# Altium PCB 0416.PcbDoc (part 3 of 3)
Units mm, origin at the board's own origin, x right, y up, seen from the top; angles counter-clockwise.
Board outline 152.4 x 101.6 mm, 4 copper layers (Top Layer, Signal Layer 2, Signal Layer 1, Bottom Layer), stack 0.778 mm thick; 260 components, 304 nets, 1192 pads, 269 vias.
Unrouted connection lines stored in the file: 259.
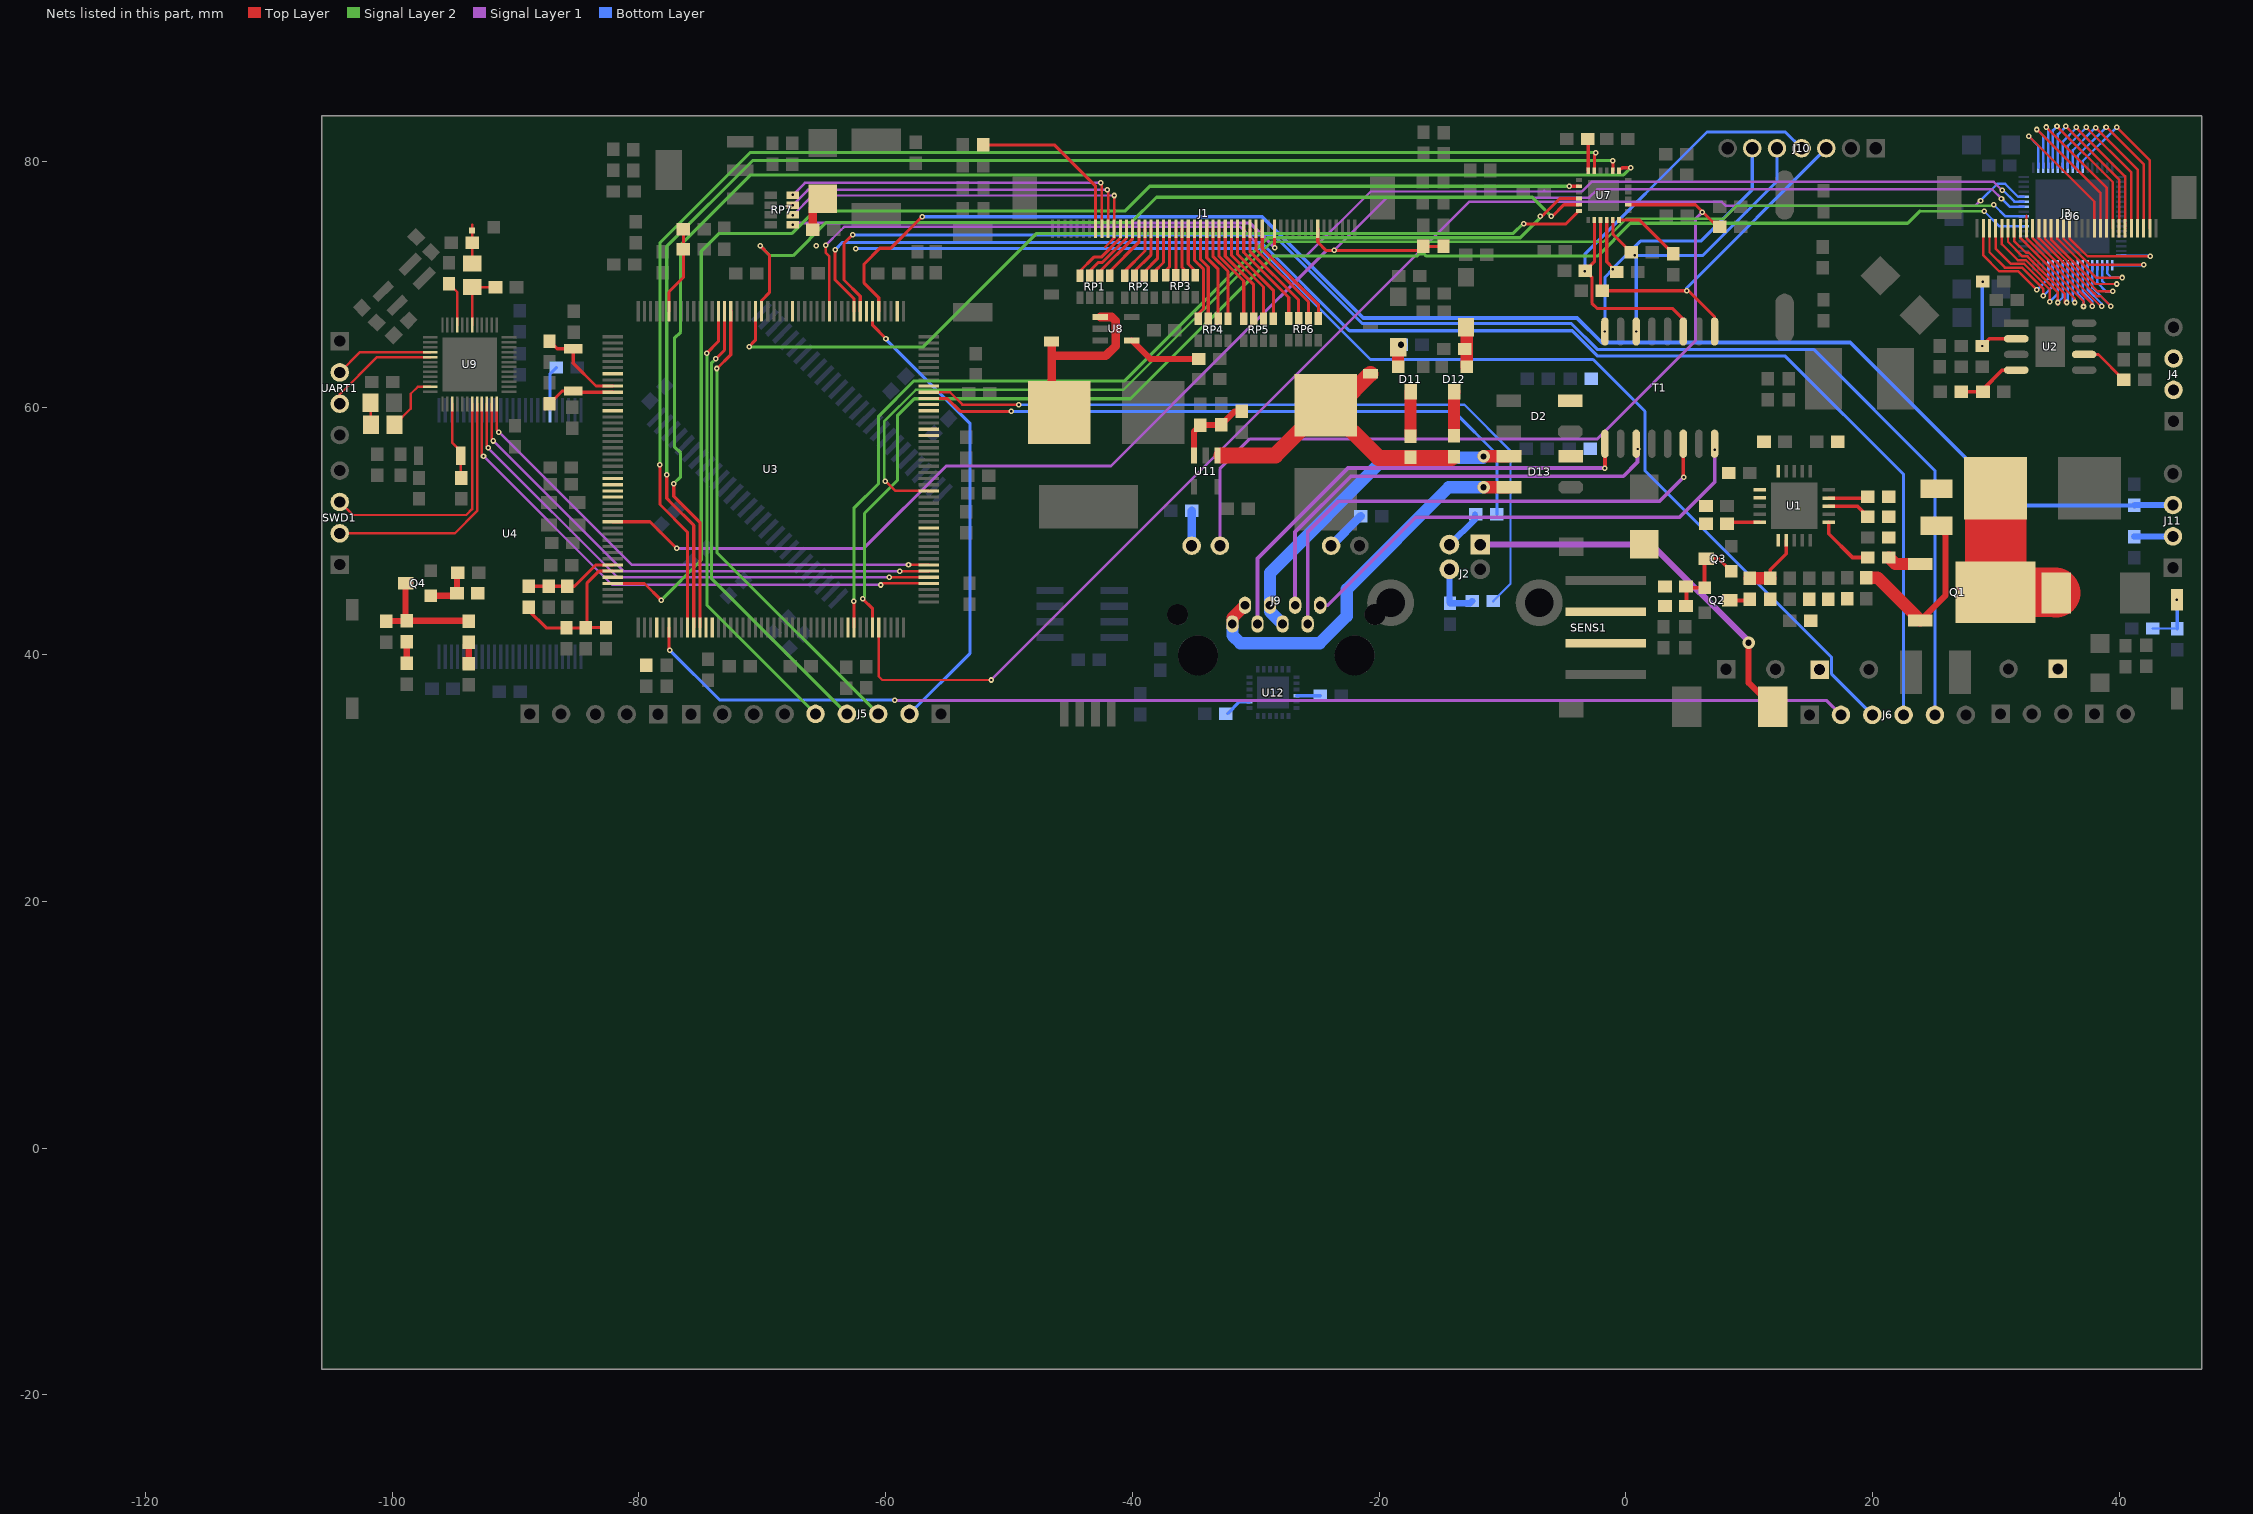
[diagram p5: the nets of this part, all layers, seen from the top]

## Via types
v1: diameter 0.45, hole 0.2, Top Layer to Bottom Layer, 216 vias
v2: diameter 0.5, hole 0.3, Top Layer to Bottom Layer, 36 vias
v3: diameter 0.6, hole 0.6, Top Layer to Bottom Layer, 9 vias
v4: diameter 1, hole 0.5, Top Layer to Bottom Layer, 6 vias
v5: diameter 0.6, hole 0.3, Top Layer to Bottom Layer, 2 vias

## Nets (pads, with @x,y where several pads share a name; then routed paths per layer and width w, separated by ;. In a path a pad name is that pad's centre, name@x,y a point inside that pad or via, vN(x,y) a via of type N, cw(c..) or ccw(c..) an arc to the next point about the centre after c; other vN are vias at no path point) (continued)
NetC81_1: C81.1 U9.3 X2.2 | length 6.3
  Top Layer w0.2: U9.3@-95.125,60.325 -95.125,57.175 -94.7,56.75 -94.7,56.179 -94.446,55.925 -94.446,54.371 C81.1@-94.4,54.325
NetC83_1: C83.1 U9.33 | length 3.6
  Top Layer w0.2: C83.1@-95.4,70.075 -94.725,69.4 U9.33@-94.725,66.725
NetC85_1: C85.1 C86.2 D15.1 L7.2 U11.1 | length 26.8
  Top Layer w1.3: -32.775,56.15 -28.4,56.15 L7.2@-24.318,60.232 ; D15.1@-20.7,62.77 -23.238,60.232 L7.2@-24.318,60.232 ; C85.1@-14.125,55.95 -20.036,55.95 L7.2@-24.318,60.232
NetC85_2: C85.2 D12.3 | length 3.6
  Top Layer w1: C85.2@-13.925,57.75 -13.925,61.284 D12.3@-13.9,61.309
NetC86_1: C86.1 D11.3 | length 3.6
  Top Layer w1: C86.1@-17.45,57.7 D11.3@-17.45,61.309
NetC87_2: C87.2 D10.1 D12.1 | length 3.2
  Top Layer w1: D10.1@-12.975,66.543 -12.884,66.452 D12.1@-12.884,63.341
NetC88_1: C88.1 D11.2 D14.2 | length 1.6
  Top Layer w1: D11.2@-18.466,63.341 -18.466,64.927 D14.2@-18.45,64.943
  other v4: -18.225,65.125
NetC90_2: C90.2 L6.1 U9.30 | length 5
  Top Layer w0.2: U9.30@-93.525,66.725 L6.1@-93.525,69.8 C90.2@-91.625,69.8
NetC95_2: C95.2 R74.2 R75.1 U11.3 | length 6.5
  Top Layer w0.5: U11.3@-35,56.15 -35,58.1 R74.2@-34.5,58.6 -34.475,58.625 C95.2@-32.8,58.625 -31.7,59.725 R75.1@-31.125,59.725
NetC116_1: C116.1 U12.20 | length 2.2
  Bottom Layer w0.25: C116.1@-32.275,35.225 -31.325,36.175 U12.20@-30.5,36.175
NetC117_2: C117.2 U12.10 | length 1.9
  Bottom Layer w0.25: U12.10@-26.7,36.675 C117.2@-24.775,36.675
NetD3_2: D3.2 L2.1 Q1.3 | length 13.4
  Top Layer w4: Q1.3@29.975,45.06 34.815,45.06 D3.2@34.875,45
  Top Layer w5: L2.1@29.962,53.493 29.975,53.48 Q1.3@29.975,45.06
NetD6_1: D6.1 R46.2 | length 1.7
  Top Layer w0.5: D6.1@-98.825,39.3 R46.2@-98.825,41.05
NetD7_1: D7.1 R47.2 | length 1.7
  Top Layer w0.5: D7.1@-93.8,39.25 R47.2@-93.8,41
NetD8_1: D8.1 J2.1 | length 31.1
  Top Layer w0.5: v4(9.95,40.975) 9.95,37.725 D8.1@11.9,35.775
  Signal Layer 1 w0.5: J2.1@-11.8,48.925 2.1,48.925 9.95,41.075 v4(9.95,40.975)
NetD9_1: D9.1 L4.2 U8.1@-42.6,67.375 | length 14.9
  Top Layer w0.7: D9.1@-46.55,65.395 -46.55,60.25 L4.2@-45.932,59.632 ; -46.525,64.225 -42.15,64.225 -41.35,65.025 -41.35,67.05 -41.675,67.375 U8.1@-42.6,67.375
NetD20_1: D20.1 R100.1 | length 2.9
  Top Layer w0.7: R100.1@-65.9,74.45 -65.9,76.175 D20.1@-65.1,76.975
NetJ1_8: J1.8 R17.2 | length 14
  Top Layer w0.25: R17.2@-52.1,81.325 -46.325,81.325 -42.975,77.975 J1.8@-42.975,74.525
NetJ2_2: J2.2 R61.2 | length 3.3
  Bottom Layer w0.5: J2.2@-14.3,48.925 -12.225,51 R61.2@-12.225,51.35
NetJ9_1: J9.1 T1.16 | length 39.3
  Top Layer w0.3: T1.16@7.195,57.1 7.2,57.095 v1(7.2,56.6)
  Signal Layer 1 w0.3: J9.1@-24.891,44.01 -24.165,44.01 -17.025,51.15 4.35,51.15 7.2,54 v1(7.2,56.6)
NetJ9_2: J9.2 T1.14 | length 42.5
  Top Layer w0.3: v1@4.655,54.42 T1.14@4.655,57.1
  Signal Layer 1 w0.3: J9.2@-25.795,42.486 -25.795,49.955 -23.3,52.45 2.75,52.45 4.7,54.4 v1(4.7,54.375)
NetJ9_3: J9.3 T1.11 | length 37.1
  Signal Layer 1 w0.3: J9.3@-26.811,44.01 -26.811,49.939 -22.275,54.475 -0.2,54.475 0.95,55.625 v1(0.95,56.675)
NetJ9_6: J9.6 T1.9 | length 38.5
  Top Layer w0.3: v1(-1.695,55.13) T1.9@-1.695,57.1
  Signal Layer 1 w0.3: J9.6@-29.859,42.486 -29.859,47.791 -22.52,55.13 v1(-1.695,55.13)
NetJ9_10: J9.10 R64.1 | length 2.8
  Bottom Layer w0.7: J9.10@-35.193,48.836 R64.1@-35.193,51.657
NetJ9_11: J9.11 R63.1 | length 3.4
  Bottom Layer w0.7: J9.11@-23.89,48.836 R63.1@-21.5,51.225
NetL3_2: L3.2 L5.1 | length 1.8
  Top Layer w0.2: L3.2@-101.75,60.425 -101.75,58.65 L5.1@-101.725,58.625
NetL5_2: L5.2 U9.47 | length 4.9
  Top Layer w0.2: L5.2@-99.825,58.625 -98.5,59.95 -98.5,61.15 -97.925,61.725 U9.47@-96.925,61.725
NetQ1_1: Q1.1 R1.1 | length 2.8
  Top Layer w1: R1.1@21.325,47.875 21.85,47.35 Q1.1@23.875,47.35
NetQ1_2: Q1.2 R01.2 R2.1 | length 14.6
  Top Layer w0.5: Q1.2@23.875,42.77 25.9,44.795 25.9,49.75 R01.2@25.2,50.45
  Top Layer w1: R2.1@19.5,46.25 20.395,46.25 Q1.2@23.875,42.77
NetQ2_1: Q2.1 Q3.1 Q3.3 R11.2 R15.2 | length 8.1
  Top Layer w0.3: R15.2@4.9,43.6 4.925,43.625 4.925,45.3 5.041,45.416 Q2.1@6.384,45.416 6.384,47.65 Q3.3@6.509,47.775 7.525,47.775 Q3.1@8.541,46.759
NetQ2_3: Q2.3 R4.2 | length 1.7
  Top Layer w0.3: Q2.3@8.416,44.4 9.95,44.4 R4.2@10.05,44.5
NetQ4_1: Q4.1 R40.1 R43.2 | length 3.9
  Top Layer w0.5: Q4.1@-96.884,44.784 -94.941,44.784 R40.1@-94.75,44.975 -94.75,46.6 R43.2@-94.7,46.65
NetR1_2: R1.2 U1.16 | length 4.9
  Top Layer w0.3: U1.16@16.45,50.725 16.45,49.8 18.375,47.875 R1.2@19.625,47.875
NetR4_1: R4.1 R5.2 U1.12 | length 5.3
  Top Layer w0.29: R5.2@11.7,46.2 11.7,46.875 13,48.175 U1.12@13,49.275
  Top Layer w1: R4.1@10.05,46.2 R5.2@11.7,46.2
NetR7_2: R7.2 U1.18 | length 3.5
  Top Layer w0.3: U1.18@16.45,52.025 18.775,52.025 R7.2@19.625,51.175
NetR8_2: R8.2 U1.19 | length 3.2
  Top Layer w0.3: U1.19@16.45,52.675 19.475,52.675 R8.2@19.6,52.8
NetR9_2: R9.2 U1.10 | length 2.7
  Top Layer w0.3: R9.2@8.2,50.625 8.3,50.725 U1.10@10.85,50.725
NetR30_2: R30.2 U3.48
NetR33_1: R33.1 R38.1 U2.2 | length 8.2
  Top Layer w0.3: v1(28.9,65.025) 29.485,65.61 U2.2@31.65,65.61
  Bottom Layer w0.3: v1(28.9,65.025) 28.9,70.225 v1(28.925,70.25)
NetR35_2: R35.2 R36.2 U3.171 | length 7.1
  Top Layer w0.254: U3.171@-77.56,67.84 -77.56,69.415 -76.4,70.575 R35.2@-76.4,72.875 R36.2@-76.4,74.5
NetR39_1: R39.1 U4.19 | length 3.7
  Bottom Layer w0.254: U4.19@-87.2,59.825 -87.2,62.775 R39.1@-86.7,63.275
NetR41_1: R41.1 R42.1 U2.4 | length 5.3
  Top Layer w0.3: R41.1@27.175,61.325 R42.1@28.95,61.325 28.95,61.5 30.52,63.07 U2.4@31.65,63.07
NetR44_1: R44.1 U2.6 | length 4.1
  Top Layer w0.25: U2.6@37.15,64.34 38.31,64.34 R44.1@40.375,62.275
NetR54_1: R54.1 U7.12 | length 2.6
  Top Layer w0.25: R54.1@-3.1,81.8 -3.05,81.75 U7.12@-3.05,79.225
NetR70_2: R70.2 U8.4@-40.06,65.475 | length 6.1
  Top Layer w0.5: U8.4@-40.06,65.475 -38.56,63.975 R70.2@-34.575,63.975
NetR200_1: R200.1 U7.24 | length 5.5
  Top Layer w0.25: U7.24@-0.55,75.225 1.125,75.225 R200.1@3.85,72.5
NRF_SWDCLK: SWD1.2 U9.8 | length 20.5
  Top Layer w0.2: SWD1.2@-104.25,49.84 -94.935,49.84 -93.125,51.65 U9.8@-93.125,60.325
NRF_SWDIO: SWD1.3 U9.7 | length 19.9
  Top Layer w0.2: SWD1.3@-104.25,52.38 -103.195,51.325 -94,51.325 -93.525,51.8 U9.7@-93.525,60.325
NRFU_RX: U9.40 UART1.2 | length 8
  Top Layer w0.2: UART1.2@-104.25,62.885 -102.61,64.525 U9.40@-96.925,64.525
NRFU_TX: U9.41 UART1.3 | length 9.3
  Top Layer w0.2: UART1.3@-104.25,60.345 -104.25,61.1 -101.225,64.125 U9.41@-96.925,64.125
PA0: U3.40
PA1: U3.41 U7.14 | length 107.4
  Top Layer w0.254: U3.41@-82.125,45.775 -79.55,45.775 v1(-78.2,44.425) ; v1(-4.575,77.975) U7.14@-3.8,77.975
  Signal Layer 2 w0.254: v1(-78.2,44.425) -74.954,47.671 -74.954,72.696 -73.5,74.15 -67.584,74.15 -65.78,75.954 -40.621,75.954 -38.6,77.975 v1(-4.575,77.975)
PA4: J6.2 U3.50 | length 99.1
  Top Layer w0.254: U3.50@-77.56,42.209 -77.56,40.315 v1(-77.5,40.375)
  Signal Layer 1 w0.254: v1(-59.25,36.325) -59.2,36.275 16.29,36.275 J6.2@17.44,35.125
  Bottom Layer w0.254: v1(-77.5,40.375) -73.45,36.325 v1(-59.25,36.325)
PA7: U3.53 U7.11 | length 112.5
  Top Layer w0.254: v1(-78.296,55.404) -78.296,52.171 -76.059,49.934 U3.53@-76.059,42.209 ; U7.11@-2.55,79.225 -2.55,80.575 v1(-2.425,80.7)
  Signal Layer 2 w0.254: v1(-78.296,55.404) -78.296,73.404 -71,80.7 v1(-2.425,80.7)
PA9: J4.2 U3.120
PA10: J4.3 U3.121
PA11: R61.1 U3.122 | length 52.8
  Top Layer w0.25: U3.122@-56.494,60.775 -55,60.775 -53.948,59.723 v1(-49.825,59.723)
  Bottom Layer w0.25: v1(-49.825,59.723) -13.948,59.723 -10.45,56.225 R61.1@-10.45,51.375
PA12: R62.1 U3.123 | length 61.9
  Top Layer w0.2: U3.123@-56.494,61.275 -54.775,61.275 -53.775,60.275 v1(-49.225,60.275)
  Bottom Layer w0.2: v1(-49.225,60.275) -13.65,60.275 -13.1,60.275 -9.35,56.525 -9.35,45.75 R62.1@-10.75,44.35
PA13: J11.2 R48.1 U3.124 | length 3.1
  Bottom Layer w0.5: R48.1@41.215,49.59 J11.2@44.35,49.59
PA14: J11.3 R50.2 U3.137 | length 121.7
  Top Layer w0.254: U3.137@-60.559,67.84 -60.559,68.934 -61.75,70.125 -61.75,71.675 -60.475,72.95 -59.6,72.95 v1(-57.05,75.5)
  Bottom Layer w0.3: v1(-57.05,75.5) -29.49,75.5 -21.29,67.3 -3.95,67.3 -1.954,65.304 18.196,65.304 31.4,52.1 R50.2@41.225,52.1
  Bottom Layer w0.5: R50.2@41.225,52.1 41.255,52.13 J11.3@44.35,52.13
PA15: J5.2 U3.138 | length 38
  Top Layer w0.254: U3.138@-61.06,67.84 -61.06,66.71 v1(-59.975,65.625)
  Bottom Layer w0.254: v1(-59.975,65.625) -60.025,65.625 -53.175,58.775 -53.175,40.09 J5.2@-58.065,35.2
PB0: SENS1.3 U3.56
PB1: SENS1.2 U3.57
PB3: J5.3 U3.161 | length 38.5
  Top Layer w0.254: v1(-73.675,63.2) -72.56,64.315 U3.161@-72.56,67.84
  Signal Layer 2 w0.254: v1(-73.675,63.2) -73.675,48.27 J5.3@-60.605,35.2
PB4: J5.4 U3.162 | length 37.6
  Top Layer w0.254: v1(-73.775,63.975) -73.059,64.691 U3.162@-73.059,67.84
  Signal Layer 2 w0.254: v1(-73.775,63.975) -74.129,63.621 -74.129,46.184 J5.4@-63.145,35.2
PB5: J5.5 U3.163 | length 36.7
  Top Layer w0.254: v1(-74.5,64.425) -74.5,64.45 -73.56,65.39 U3.163@-73.56,67.84
  Signal Layer 2 w0.254: v1(-74.5,64.425) -74.484,64.409 -74.484,43.999 J5.5@-65.685,35.2
PB10: U3.79
PB11: U3.80 U7.16 | length 82.1
  Top Layer w0.254: v1(-62.575,44.325) -62.559,44.309 U3.80@-62.559,42.209 ; v1(-6.925,75.55) -6.8,75.55 -5.375,76.975 U7.16@-3.8,76.975
  Signal Layer 2 w0.254: v1(-62.575,44.325) -62.575,51.875 -60.575,53.875 -60.575,59.328 -57.703,62.2 -40.625,62.2 -29.031,73.794 -8.556,73.794 -6.925,75.425 v1(-6.925,75.55)
PB12: U3.92 U9.9 | length 44.8
  Top Layer w0.2: U9.9@-92.725,60.325 -92.725,56.225 v1(-92.6,56.1) ; v1(-60.4,45.65) -60.275,45.775 U3.92@-56.494,45.775
  Signal Layer 1 w0.2: v1(-92.6,56.1) -82.175,45.675 -60.425,45.675 v1(-60.4,45.65)
PB13: U3.93 U9.10 | length 43.7
  Top Layer w0.2: U9.10@-92.325,60.325 -92.325,56.9 v1(-92.2,56.775) ; v1(-59.7,46.275) U3.93@-56.494,46.275
  Signal Layer 1 w0.2: v1(-92.2,56.775) -92.2,56.725 -81.75,46.275 v1(-59.7,46.275)
PB14: U3.94 U9.11 | length 42.7
  Top Layer w0.2: U9.11@-91.925,60.325 -91.925,57.45 v1(-91.8,57.325) ; v1(-58.85,46.775) U3.94@-56.494,46.775
  Signal Layer 1 w0.2: v1(-91.8,57.325) -81.225,46.75 -58.875,46.75 v1(-58.85,46.775)
PB15: U3.95 U9.12 | length 41.7
  Top Layer w0.2: U9.12@-91.525,60.325 -91.525,58.225 v1(-91.35,58.05) ; v1(-58.15,47.275) U3.95@-56.494,47.275
  Signal Layer 1 w0.2: v1(-91.35,58.05) -80.575,47.275 v1(-58.15,47.275)
PC4: U3.54 U7.8 | length 112.2
  Top Layer w0.254: v1(-77.75,54.575) -77.75,52.675 -77.337,52.262 -75.56,50.485 U3.54@-75.56,42.209 ; U7.8@-1.05,79.225 v1(-1.05,80.05)
  Signal Layer 2 w0.254: v1(-77.75,54.575) -77.75,73.1 -70.8,80.05 v1(-1.05,80.05)
PC5: U3.55 U7.7 | length 113.2
  Top Layer w0.254: v1(-77.175,53.875) -77.175,52.85 -75.059,50.734 U3.55@-75.059,42.209 ; U7.7@-0.55,79.225 -0.3,79.475 v1(0.4,79.475)
  Signal Layer 2 w0.254: v1(-77.175,53.875) -76.625,54.425 -76.625,56.36 -77.125,56.86 -77.125,65.65 -76.625,66.15 -76.625,73.225 -70.95,78.9 -0.175,78.9 v1(0.4,79.475)
PC7: J2.3 R62.2 R65.2 U3.116 | length 4.6
  Bottom Layer w0.5: J2.3@-14.3,46.925 -14.3,44.225 R65.2@-14.25,44.175 -12.625,44.175 R62.2@-12.45,44.35
PC8: U3.117
PC10: J6.3 U3.139 | length 101.7
  Top Layer w0.254: v1@-62.45,72.95 v1(-62.425,72.925)
  Bottom Layer w0.254: v1(-62.425,72.925) -29.7,72.925 -20.7,63.925 -2.65,63.925 1.55,59.725 1.55,54.907 16.679,39.779 16.679,38.426 J6.3@19.98,35.125
PC11: J6.5 U3.140 | length 122.5
  Top Layer w0.254: v1(-62.675,74.025) -62.7,74.025 -63.375,73.35 -63.375,70.375 -62.06,69.06 U3.140@-62.06,67.84
  Bottom Layer w0.254: v1(-62.675,74.025) -28.55,74.025 -21.375,66.85 -4.425,66.85 -2.325,64.75 15.225,64.75 25.06,54.915 J6.5@25.06,35.125
  other v1: -65.625,73.15
PC12: J6.4 U3.141 | length 119.8
  Top Layer w0.254: v1(-64.1,72.825) -64.1,70.375 -62.559,68.834 U3.141@-62.559,67.84
  Bottom Layer w0.254: v1(-64.1,72.825) -63.5,73.425 -29.575,73.425 -22.409,66.259 -4.337,66.259 -2.278,64.2 12.925,64.2 22.52,54.605 J6.4@22.52,35.125
PC14: C29.1 U3.9 Y1.2 | length 7.3
  Top Layer w0.25: C29.1@-87.25,65.425 -86.629,64.804 Y1.2@-85.325,64.804 -85.325,63.625 -83.475,61.775 U3.9@-82.125,61.775
PC15: C30.1 U3.10 Y1.1 | length 5.6
  Top Layer w0.25: C30.1@-87.25,60.35 -86.225,61.375 Y1.1@-85.325,61.375 -85.225,61.275 U3.10@-82.125,61.275
PD3: U3.145 U6.46 | length 107.4
  Top Layer w0.2: v1(-64.875,73.175) -64.875,72.6 -64.559,72.284 U3.145@-64.559,67.84
  Signal Layer 1 w0.2: v1(-64.875,73.175) -63.598,74.452 -63.602,74.452 -63.378,74.675 -31.25,74.675 -28.925,72.35 -25.875,72.35 -20.677,77.548 -6.675,77.548 ; -6.6,77.623 -6.675,77.548 ; v1(30.5,77.65) 29.825,78.325 -2.773,78.325 -3.55,77.548 -6.675,77.548
  Bottom Layer w0.2: v1(30.5,77.65) 30.575,77.65 31.5,76.725 U6.46@32.275,76.725
PD7: U3.151
PD13: U3.101
PF6: U3.24
PF7: U3.25
PF8: U3.26
PF9: U3.27
PG3: U3.107 U6.43 | length 108.9
  Top Layer w0.2: v1(-60.05,54.075) -60.05,54.125 -59.2,53.275 U3.107@-56.494,53.275
  Signal Layer 2 w0.2: v1@-60.125,54.075 -60.125,58.9 -57.55,61.475 -40.725,61.475 -28.734,73.466 -1.834,73.466 0.025,75.325 7.923,75.325 8.975,76.377 29.727,76.377 v1(29.825,76.475)
  Bottom Layer w0.2: v1(29.825,76.475) 30.775,75.525 U6.43@32.275,75.525
PG13: U3.156 U7.17 | length 75.6
  Top Layer w0.254: v1(-70.175,73.15) -69.425,72.4 -69.425,69.35 -70.059,68.716 U3.156@-70.059,67.84 ; v1(-6.05,75.55) -5.95,75.55 -5.025,76.475 U7.17@-3.8,76.475
  Signal Layer 2 w0.254: v1(-70.175,73.15) -69.375,72.35 -67.5,72.35 -64.804,75.046 -40.079,75.046 -38.046,77.079 -7.579,77.079 v1(-6.05,75.55)
PG14: U3.157 U7.18 | length 75
  Top Layer w0.254: v1(-71.075,64.95) -71.075,64.975 -70.56,65.49 U3.157@-70.56,67.84 ; v1(-8.275,74.95) -8.246,74.921 -4.854,74.921 U7.18@-3.8,75.975
  Signal Layer 2 w0.254: v1(-71.075,64.95) -56.95,64.95 -47.75,74.15 -9.125,74.15 -8.275,75 v1(-8.275,74.95)
PH6: U3.83 U6.41 | length 117.5
  Top Layer w0.254: v1(-61.875,44.55) -61.06,43.735 U3.83@-61.06,42.209
  Signal Layer 2 w0.2: 23.825,75.95 v1(29.05,75.95)
  Signal Layer 2 w0.254: v1(-61.875,44.55) -61.721,44.704 -61.721,51.454 -59.05,54.125 -59.05,59.375 -57.675,60.75 -40.15,60.75 -28.588,72.312 -16.929,72.312 -16.738,72.504 -16.362,72.504 -16.171,72.312 -2.288,72.312 0.371,74.971 22.846,74.971 23.825,75.95
  Bottom Layer w0.2: v1(29.05,75.95) 30.275,74.725 U6.41@32.275,74.725
PH7: U3.84 U6.47 | length 114.3
  Top Layer w0.2: U3.84@-60.559,42.209 -60.559,38.234 -60.275,37.95 v1(-51.45,37.95)
  Signal Layer 1 w0.2: v1(-51.45,37.95) -12.698,76.702 7.777,76.702 8.078,76.4 28.348,76.4 v1(28.751,76.804)
  Bottom Layer w0.2: v1(28.751,76.804) 30.123,78.175 30.75,78.175 31.8,77.125 U6.47@32.275,77.125
PI3: U3.134
PI8: U3.7
PI11: U3.13
PSEGND: C01.2 C1.2 C3.2 C4.2 C6.1 C8.2 C13.2 C16.1 C118.1 D1.1 D2.2 D13.2 R01.1 R3.2 R5.1 R7.1 R8.1 R9.1 R11.1 R12.1 R13.1 R15.1 R67.1 U1.5 U1.6 U1.7 U1.11
RESET: C10.2 C110.2 J1.44 R20.2 R21.1 S1.1 U3.31 U6.45 | length 144.1
  Top Layer w0.25: U3.31@-82.125,50.775 -79.1,50.775 v1(-76.95,48.625) v1@-76.85,48.625 ; J1.44@-24.975,74.525 -24.975,73.45 -24.275,72.75 -16.775,72.75 R20.2@-16.425,73.1 C10.2@-14.775,73.1
  Signal Layer 1 w0.2: v1(-23.625,72.8) -19.373,77.052 -2.973,77.052 -2.3,77.725 29.7,77.725 v1(30.45,76.975)
  Signal Layer 1 w0.25: v1(-76.95,48.625) -61.775,48.625 -55.1,55.3 -41.736,55.3 -31.798,65.238 -31.798,65.24 -24.289,72.75 -23.675,72.75 v1(-23.625,72.8)
  Bottom Layer w0.2: v1(30.45,76.975) 31.1,76.325 U6.45@32.275,76.325 ; R21.1@42.725,42.125 44.675,42.125 C110.2@44.7,42.1
  Bottom Layer w0.25: v1(44.675,44.45) 44.7,44.425 C110.2@44.7,42.1
RF: C91.2 E1.1 L6.2 | length 3.2
  Top Layer w0.2: L6.2@-93.525,71.7 C91.2@-93.525,73.4 -93.525,74.85
RX1: J3.20 U6.53 | length 12.5
  Top Layer w0.2: v1(32.675,82.025) 37.978,76.722 J3.20@37.978,74.55
  Bottom Layer w0.2: v1(32.675,82.025) 33.425,81.275 U6.53@33.425,79.475
RX2: J3.21 U6.54 | length 13.5
  Top Layer w0.2: v1(33.325,82.575) 38.478,77.422 J3.21@38.478,74.55
  Bottom Layer w0.2: v1(33.325,82.575) 33.825,82.075 U6.54@33.825,79.475
RX3: J3.22 U6.55 | length 13.6
  Top Layer w0.2: v1(34.075,82.775) 38.978,77.872 J3.22@38.978,74.55
  Bottom Layer w0.2: v1(34.075,82.775) 34.075,82.75 34.225,82.6 U6.55@34.225,79.475
RX4: J3.23 U6.56 | length 13.6
  Top Layer w0.2: v1(34.95,82.825) 39.478,78.297 J3.23@39.478,74.55
  Bottom Layer w0.2: U6.56@34.625,79.475 34.625,82.5 v1(34.95,82.825)
RX5: J3.24 U6.57 | length 13.7
  Top Layer w0.2: v1(35.675,82.825) 39.978,78.522 J3.24@39.978,74.55
  Bottom Layer w0.2: U6.57@35.025,79.475 35.025,82.175 v1(35.675,82.825)
RX6: J3.25 U6.58 | length 13.6
  Top Layer w0.2: v1(36.5,82.75) 40.478,78.772 J3.25@40.478,74.55
  Bottom Layer w0.2: U6.58@35.425,79.475 35.425,81.6 36.5,82.675 v1(36.5,82.75)
RX7: J3.26 U6.59 | length 13.6
  Top Layer w0.2: v1(37.325,82.75) 40.978,79.097 J3.26@40.978,74.55
  Bottom Layer w0.2: U6.59@35.825,79.475 35.825,81.25 v1(37.325,82.75)
RX8: J3.27 U6.60 | length 13.6
  Top Layer w0.2: v1(38.075,82.725) 41.478,79.322 J3.27@41.478,74.55
  Bottom Layer w0.2: U6.60@36.225,79.475 36.225,80.875 v1(38.075,82.725)
RX9: J3.28 U6.61 | length 13.7
  Top Layer w0.2: v1(38.925,82.75) 39,82.75 41.978,79.772 J3.28@41.978,74.55
  Bottom Layer w0.2: U6.61@36.625,79.475 36.625,80.45 v1(38.925,82.75)
RX10: J3.29 U6.62 | length 13.7
  Top Layer w0.2: v1(39.8,82.75) 42.478,80.072 J3.29@42.478,74.55
  Bottom Layer w0.2: U6.62@37.025,79.475 37.025,80 39.775,82.75 v1(39.8,82.75)
SPEED_LED: J9.9 R60.2 U7.2 | length 67.9
  Top Layer w0.254: U7.2@0.2,76.475 5.65,76.475 7.425,74.7 R60.2@7.6,74.7
  Signal Layer 1 w0.254: J9.9@-32.907,48.836 -32.907,55.068 -30.475,57.5 -2.3,57.5 5.65,65.45 5.65,75.325 v1(6.2,75.875)
TFT_B0: J1.19 RP2.8 | length 4.1
  Top Layer w0.25: RP2.8@-38.225,70.703 -38.225,71.05 -37.475,71.8 J1.19@-37.475,74.525
TFT_B1: J1.18 RP2.6 | length 4.3
  Top Layer w0.25: RP2.6@-39.025,70.703 -39.025,71.05 -37.975,72.1 J1.18@-37.975,74.525
TFT_B2: J1.17 RP2.4 | length 4.4
  Top Layer w0.25: RP2.4@-39.825,70.703 -39.825,71.075 -38.475,72.425 J1.17@-38.475,74.525
TFT_B3: J1.16 RP2.2 | length 4.5
  Top Layer w0.25: RP2.2@-40.625,70.703 -40.625,71.075 -38.975,72.725 J1.16@-38.975,74.525
TFT_B4: J1.15 RP1.8 | length 4.8
  Top Layer w0.25: RP1.8@-41.85,70.728 -41.85,71.05 -39.475,73.425 J1.15@-39.475,74.525
TFT_B5: J1.14 RP1.6 | length 4.9
  Top Layer w0.25: RP1.6@-42.65,70.728 -42.65,71.056 -39.975,73.731 J1.14@-39.975,74.525
TFT_B6: J1.13 RP1.4 | length 5.2
  Top Layer w0.25: RP1.4@-43.45,70.728 -43.45,71.1 -42.75,71.8 -42.425,71.8 -40.475,73.75 J1.13@-40.475,74.525
TFT_B7: J1.12 RP1.2 | length 5.5
  Top Layer w0.25: RP1.2@-44.25,70.728 -44.25,71.1 -43.125,72.225 -42.525,72.225 -40.975,73.775 J1.12@-40.975,74.525
TFT_CLK: J1.37 RP7.8 | length 41.5
  Top Layer w0.254: v1@-28.475,73.025 J1.37@-28.475,74.525
  Signal Layer 1 w0.254: v1(-67.525,74.85) -67.371,75.004 -30.479,75.004 v1(-28.45,72.975)
TFT_DE: J1.9 RP7.2 | length 29
  Top Layer w0.2: J1.9@-42.475,74.525 v1@-42.475,78.175
  Signal Layer 1 w0.2: v1(-67.525,77.275) -66.55,78.25 v1(-42.55,78.25)
TFT_G0: J1.27 RP4.8 | length 7.8
  Top Layer w0.25: J1.27@-33.475,74.525 -33.475,72.3 -32.25,71.075 RP4.8@-32.25,67.228
TFT_G1: J1.26 RP4.6 | length 7.7
  Top Layer w0.25: J1.26@-33.975,74.525 -33.975,72.175 -33.05,71.25 RP4.6@-33.05,67.228
TFT_G2: J1.25 RP4.4 | length 7.6
  Top Layer w0.25: J1.25@-34.475,74.525 -34.475,72.05 -33.85,71.425 RP4.4@-33.85,67.228
TFT_G3: J1.24 RP4.2 | length 7.8
  Top Layer w0.25: J1.24@-34.975,74.525 -34.975,72 -34.25,71.275 -34.25,68.025 -34.65,67.625 RP4.2@-34.65,67.228
TFT_G4: J1.23 RP3.8 | length 4
  Top Layer w0.25: J1.23@-35.475,74.525 -35.475,71.675 -34.9,71.1 RP3.8@-34.9,70.753
TFT_G5: J1.22 RP3.6 | length 3.9
  Top Layer w0.25: J1.22@-35.975,74.525 -35.975,71.4 -35.7,71.125 RP3.6@-35.7,70.753
TFT_G6: J1.21 RP3.4 | length 3.8
  Top Layer w0.25: RP3.4@-36.5,70.753 -36.475,70.778 J1.21@-36.475,74.525
TFT_G7: J1.20 RP3.2 | length 3.9
  Top Layer w0.25: RP3.2@-37.3,70.753 -37.3,71.15 -36.975,71.475 J1.20@-36.975,74.525
TFT_HS: J1.11 RP7.6 | length 31.2
  Top Layer w0.2: -42.2,73.05 -41.475,73.775 J1.11@-41.475,74.525 v1(-41.475,77.225)
  Signal Layer 1 w0.2: v1(-67.525,75.625) -65.925,77.225 v1(-41.475,77.225)
TFT_R0: J1.35 RP6.8 | length 10
  Top Layer w0.25: -29.475,73.675 J1.35@-29.475,74.525 -29.475,72.925 -24.925,68.375 RP6.8@-24.925,67.253
TFT_R1: J1.34 RP6.6 | length 9
  Top Layer w0.25: J1.34@-29.975,74.525 -29.975,72.85 -25.725,68.6 RP6.6@-25.725,67.253
TFT_R2: J1.33 RP6.4 | length 8.9
  Top Layer w0.25: J1.33@-30.475,74.525 -30.475,72.7 -26.525,68.75 RP6.4@-26.525,67.253
TFT_R3: J1.32 RP6.2 | length 8.8
  Top Layer w0.25: J1.32@-30.975,74.525 -30.975,72.625 -30.827,72.477 -30.827,72.454 -27.325,68.953 RP6.2@-27.325,67.253
TFT_R4: J1.31 RP5.8 | length 8.5
  Top Layer w0.25: J1.31@-31.475,74.525 -31.475,72.45 -28.575,69.55 RP5.8@-28.575,67.228
TFT_R5: J1.30 RP5.6 | length 8.4
  Top Layer w0.25: J1.30@-31.975,74.525 -31.975,72.4 -29.375,69.8 RP5.6@-29.375,67.228
TFT_R6: J1.29 RP5.4 | length 8.2
  Top Layer w0.25: J1.29@-32.475,74.525 -32.475,72.294 -30.175,69.994 RP5.4@-30.175,67.228
TFT_R7: J1.28 RP5.2 | length 8.1
  Top Layer w0.25: J1.28@-32.975,74.525 -32.975,72.297 -30.975,70.297 RP5.2@-30.975,67.228
TFT_VS: J1.10 RP7.4 | length 29.2
  Top Layer w0.2: v1(-42.025,77.675) -41.975,77.625 J1.10@-41.975,74.525
  Signal Layer 1 w0.2: v1(-67.525,76.45) -66.3,77.675 v1(-42.025,77.675)
TPRX+: J10.5 R57.2 T1.6 U7.23 | length 26.1
  Top Layer w0.25: U7.23@-1.05,75.225 -1.05,74.1 R57.2@0.425,72.625
  Bottom Layer w0.25: v1(0.845,66.2) 0.845,72.255 v1(0.725,72.375) 6.25,72.375 12.25,78.375 J10.5@12.25,81.05
TPRX-: J10.6 R58.2 T1.8 U7.22 | length 26.9
  Top Layer w0.25: U7.22@-1.55,75.225 -1.55,71.85 -1.05,71.35 v1(-1.05,71.25)
  Bottom Layer w0.25: v1(-1.695,66.2) -1.695,70.605 v1(-1.05,71.25) -1.05,71.3 1.175,73.525 6.075,73.525 10.25,77.7 J10.6@10.25,81.05
TPTX+: J10.3 R55.2 T1.1 U7.21 | length 33.2
  Top Layer w0.25: U7.21@-2.05,75.225 -2.05,69.625 R55.2@-1.925,69.5 v1(4.925,69.5) 5.075,69.5 7.195,67.38 T1.1@7.195,66.2
  Bottom Layer w0.25: v1(4.925,69.5) 4.925,69.725 J10.3@16.25,81.05
TPTX-: J10.4 R56.2 T1.3 U7.20 | length 39.8
  Top Layer w0.25: U7.20@-2.55,75.225 -2.55,71.85 R56.2@-3.275,71.125 -2.75,70.6 -2.75,68.5 -2.3,68.05 3.8,68.05 4.655,67.195 T1.3@4.655,66.2
  Bottom Layer w0.25: v1(-3.325,71.075) -3.325,72.475 6.575,82.375 12.925,82.375 J10.4@14.25,81.05
TX1: J3.2 U6.31 | length 10.1
  Top Layer w0.2: J3.2@28.978,74.55 28.978,72.372 30.273,71.077 31.823,71.077 v1(33.325,69.575)
  Bottom Layer w0.2: v1(33.325,69.575) 34.225,70.475 U6.31@34.225,71.575
TX2: J3.3 U6.30 | length 10.9
  Top Layer w0.2: J3.3@29.478,74.55 29.478,72.622 30.722,71.378 32.125,71.378 33.85,69.653 v1(33.85,69.1) v1@33.85,69.05
  Bottom Layer w0.2: v1(33.85,69.1) 34.625,69.875 U6.30@34.625,71.575
TX3: J3.4 U6.29 | length 11.6
  Top Layer w0.2: J3.4@29.978,74.55 29.978,72.922 31.22,71.68 32.295,71.68 34.35,69.625 v1(34.35,68.6)
  Bottom Layer w0.2: v1(34.35,68.6) 35.025,69.275 U6.29@35.025,71.575
TX4: J3.5 U6.28 | length 11.7
  Top Layer w0.2: J3.5@30.478,74.55 30.478,73.272 31.769,71.981 32.42,71.981 35,69.402 v1@35,68.403
  Bottom Layer w0.2: v1@35,68.525 v1@35,68.675 ; v1@35,68.553 35.425,68.978 U6.28@35.425,71.575
  other v1: 35,68.55
TX5: J3.6 U6.27 | length 11.4
  Top Layer w0.2: J3.6@30.978,74.55 30.978,73.472 32.167,72.283 32.545,72.283 35.588,69.241 v1@35.588,68.675 ; v1@35.588,68.512 v1@35.588,68.675 ; v1@35.725,68.537 v1@35.588,68.675
  Bottom Layer w0.2: v1(35.725,68.55) 35.825,68.65 U6.27@35.825,71.575
TX6: J3.7 U6.26 | length 11.2
  Top Layer w0.2: J3.7@31.478,74.55 31.478,73.547 32.44,72.585 32.67,72.585 36.4,68.855 v1@36.4,68.475
  Bottom Layer w0.2: v1@36.225,68.65 U6.26@36.225,71.575
  other v1: 36.4,68.55
TX7: J3.8 U6.25 | length 12
  Top Layer w0.2: J3.8@31.978,74.55 31.978,73.772 37.1,68.65 v1(37.1,68.225)
  Bottom Layer w0.2: U6.25@36.625,71.575 36.625,69.275 37.1,68.8 v1(37.1,68.225)
TX8: J3.9 U6.24 | length 13.2
  Top Layer w0.2: 32.478,75.597 J3.9@32.478,74.55 32.478,73.772 37.825,68.425 v1(37.825,68.25)
  Bottom Layer w0.2: U6.24@37.025,71.575 37.025,69.45 37.825,68.65 v1(37.825,68.25)
TX9: J3.10 U6.23 | length 12.5
  Top Layer w0.2: J3.10@32.978,74.55 32.978,73.773 38.502,68.25 v1(38.575,68.25)
  Bottom Layer w0.2: U6.23@37.425,71.575 37.425,69.6 38.575,68.45 v1(38.575,68.25)
TX10: J3.11 U6.22 | length 12.9
  Top Layer w0.2: J3.11@33.478,74.55 33.478,73.768 37.932,69.315 37.937,69.315 38.177,69.075 38.5,69.075 v1(39.325,68.25)
  Bottom Layer w0.2: U6.22@37.825,71.575 37.825,69.75 v1(39.325,68.25)
TX11: J3.12 U6.21 | length 11.1
  Top Layer w0.2: J3.12@33.978,74.55 33.978,73.722 38.25,69.45 v1(39.475,69.45)
  Bottom Layer w0.2: U6.21@38.225,71.575 38.225,70.15 38.925,69.45 v1(39.475,69.45)
TX12: J3.13 U6.20 | length 10.3
  Top Layer w0.2: J3.13@34.478,74.55 34.478,73.648 38.077,70.05 v1(39.8,70.05)
  Bottom Layer w0.2: U6.20@38.625,71.575 38.625,70.275 38.85,70.05 v1(39.8,70.05)
TX13: J3.14 U6.19 | length 9.4
  Top Layer w0.2: J3.14@34.978,74.55 34.978,73.722 38.125,70.575 v1(40.25,70.575)
  Bottom Layer w0.2: U6.19@39.025,71.575 39.025,70.9 39.35,70.575 v1(40.25,70.575)
TX14: J3.15 U6.18 | length 10.8
  Top Layer w0.2: J3.15@35.478,74.55 35.478,73.722 37.575,71.625 v1(41.975,71.625)
  Bottom Layer w0.2: U6.18@39.425,71.575 41.925,71.575 v1(41.975,71.625)
TX15: J3.16 U6.17 | length 10.4
  Top Layer w0.2: J3.16@35.978,74.55 35.978,73.747 37.425,72.3 v1(42.525,72.3)
  Bottom Layer w0.2: U6.17@40.175,72.325 42.55,72.325 v1(42.525,72.3)
VCC_LED: C28.2 Q4.3 R46.1 R47.1 | length 9.8
  Top Layer w0.5: C28.2@-100.475,42.725 -98.85,42.725 R46.1@-98.825,42.75 ; Q4.3@-98.916,45.8 -98.916,42.841 R46.1@-98.825,42.75 ; R47.1@-93.8,42.7 -93.85,42.75 R46.1@-98.825,42.75
VDDA: C26.2 C27.2 R31.1 R34.2 U3.39 | length 12.9
  Top Layer w0.254: R31.1@-88.925,43.85 -88.925,43.575 -87.525,42.175 R34.2@-85.875,42.175 C27.2@-84.3,42.175 ; C27.2@-84.2,42.275 -84.2,45.825 -83.25,46.775 U3.39@-82.125,46.775 ; C27.2@-84.125,42.2 C26.2@-82.675,42.2
VREF+: C21.2 C22.2 R31.2 R40.2 U3.38 | length 7.5
  Top Layer w0.254: R31.2@-88.925,45.55 C21.2@-87.3,45.55 C22.2@-85.825,45.55 -85.225,45.55 -83.5,47.275 U3.38@-82.125,47.275
电源+: D13.3 J9.4 J9.5 | length 27.8
  Top Layer w1: v4(-11.525,56.075) D13.3@-9.475,56.075
  Bottom Layer w1: J9.4@-27.827,42.486 -28.843,43.502 J9.5@-28.843,44.01 -28.843,46.632 -19.5,55.975 v4@-11.575,55.975
电源-: D13.4 J9.7 J9.8 | length 32
  Top Layer w1: J9.8@-31.891,42.486 -31.891,42.994 J9.7@-30.875,44.01 ; v4(-11.525,53.575) D13.4@-9.475,53.575
  Bottom Layer w1: J9.8@-31.891,42.486 -31.891,41.566 -31.25,40.925 -24.825,40.925 -22.625,43.125 -22.625,45.3 -14.35,53.575 v4@-11.55,53.575
pads on no net: E1.2 J1.45 J1.49 J1.50 J1.A J1.B J2.5 J2.6 J3.A J3.B J9.0 T1.2 T1.4 T1.5 T1.7 T1.12 T1.13 U1.0 U1.1 U1.3 U1.9 U1.20 U4.1 U4.2 U4.3 U4.4 U4.5 U4.6 U4.10 U4.11 U4.14 U4.15 U4.20 U4.21 U4.22 U4.23 U4.24 U4.25 U4.26 U4.27 U4.28 U4.33 U4.34 U4.35 U4.38 U4.39 U4.40 U4.45 U4.46 U4.47 U4.48 U5.40 U6.2 U6.3 U6.4 U6.5 U6.6 U6.7 U6.8 U6.9 U6.10 U6.11 U6.12 U6.13 U6.14 U6.15 U6.16 U6.36 U6.37 U6.38 U6.39 U6.40 U6.42 U6.44 U6.48 U6.49 U6.50 U6.51 U6.63 U6.64 U6.65 U6.66 U6.67 U6.68 U6.69 U7.10 U9.4 U9.5 U9.6 U9.14 U9.15 U9.16 U9.17 U9.18 U9.19 U9.20 U9.21 U9.22 U9.23 U9.25 U9.26 U9.27 U9.28 U9.29 U9.32 U9.37 U9.38 U9.39 U9.42 U9.43 U9.44 U9.49 U10.5 U12.0 U12.2 U12.3 U12.4 U12.5 U12.6 U12.7 U12.12 U12.14 U12.15 U12.16 U12.17 U12.19 U12.21 U12.22
copper on no net:
  other v2: -95.355,61.88 -94.703,61.88 -94.05,61.88 -93.397,61.88 -92.745,61.88 -92.092,61.88 -95.355,62.54 -94.703,62.54 -94.05,62.54 -93.398,62.54 -92.745,62.54 -92.092,62.54 -95.355,63.2 -94.703,63.2 -94.05,63.2 -93.398,63.2 -92.745,63.2 -92.092,63.2 -95.355,63.861 -94.703,63.861 -94.05,63.861 -93.398,63.861 -92.745,63.861 -92.092,63.861 -95.355,64.521 -94.703,64.521 -94.05,64.521 -93.398,64.521 -92.745,64.521 -92.092,64.521 -95.355,65.182 -94.703,65.182 -94.05,65.182 -93.398,65.182 -92.745,65.182 -92.092,65.182
  other v3: 12.38,50.805 13.65,50.805 14.92,50.805 12.38,52.075 13.65,52.075 14.92,52.075 14.92,53.325 12.38,53.345 13.65,53.345

## Other copper
Top Layer:
  pour cut-out: -83.825,84.625 -83.825,75.175 -105.825,75.175 -105.85,75.15 -105.85,84.675 -105.9,84.625
Signal Layer 1:
  pour cut-out: -83.825,84.625 -83.825,75.175 -105.825,75.175 -105.85,75.15 -105.85,84.675 -105.9,84.625
Signal Layer 2:
  pour cut-out: -83.825,84.625 -83.825,75.175 -105.825,75.175 -105.85,75.15 -105.85,84.675 -105.9,84.625
Bottom Layer:
  pour cut-out: -83.825,84.625 -83.825,75.175 -105.825,75.175 -105.85,75.15 -105.85,84.675 -105.9,84.625

## Silkscreen, mask and mechanical layers (free items; w line width, h text height)
Top Overlay:
  lines w0.05: -124.975,33.8 46.6,33.8
  lines w0.1: -54.775,66.55 -54.775,76.175 ; -53.425,64.675 -37.117,64.675 -37.042,64.6 -37.042,61.483 -36.984,61.425 -32.1,61.425 -32.1,64.644 -32.153,64.697 -35.397,64.697 -35.397,67.247 -35.775,67.625 -44.575,67.625 -44.9,67.95 -44.9,73.575 -44.825,73.65 ; -53.425,74.3 -52.525,75.2 -49.6,75.2 ; -28.325,-24.75 -28.325,83.675 ; -11.975,50.335 -11.975,62 -10.4,63.575 ; -9.55,63.575 -9.55,83.675 ; -8.85,63.6 -4.7,63.6 -2.05,63.6 ; -3.6,63.575 -2.875,62.85 -2.875,56.475 -1.875,55.475 8.175,55.475 11.475,58.775 44.125,58.775 46.55,56.35 ; 8.05,58.125 8.45,58.125 ; 9.05,56.35 9.05,62.125 11.98,65.055 ; 11.8,64.875 11.98,65.055 ; 22.1,83.675 22.1,65.05 15.347,65.05 15.342,65.055 11.98,65.055
  lines w0.2: -106.225,51.425 -84.175,51.425 ; -106.15,51.65 -106.15,84.2 ; -105.725,83.675 46.675,83.675 46.675,38.025 ; -30.925,80.55 26.189,80.55 26.189,88.036 ; -19.725,70.85 -19.725,83.619
  lines w0.254: -105.725,83.421 -105.725,83.929 ; -104.201,83.166 -105.725,83.675 ; -104.201,84.182 -105.725,83.675 ; -38.167,83.631 -105.725,83.675 ; -28.325,83.421 -28.325,83.929 ; -26.801,83.167 -28.325,83.675 ; -26.801,84.183 -28.325,83.675 ; -20.85,83.619 46.708,83.575 ; -19.725,83.365 -19.725,83.873 ; -18.201,83.11 -19.725,83.619 ; -18.201,84.126 -19.725,83.619 ; -4.665,83.612 -19.725,83.619 ; 4.071,83.675 -28.325,83.675 ; 11.129,83.606 26.189,83.6 ; 14.279,83.675 46.675,83.675 ; 24.665,83.093 26.189,83.6 ; 24.665,84.109 26.189,83.6 ; 26.189,83.346 26.189,83.854 ; 45.151,83.167 46.675,83.675 ; 45.151,84.183 46.675,83.675 ; 45.184,83.068 46.708,83.575 ; 45.185,84.084 46.708,83.575 ; 46.119,35.25 46.625,33.725 ; 46.165,82.152 46.675,83.675 ; 46.371,33.725 46.879,33.725 ; 46.421,83.675 46.929,83.675 ; 46.643,51.438 46.625,33.725 ; 46.657,65.962 46.675,83.675 ; 46.675,83.421 46.675,83.929 ; 46.708,83.321 46.708,83.829 ; 47.135,35.248 46.625,33.725 ; 47.181,82.15 46.675,83.675
  text "1/蓝牙放正面，nand和SDRAM放反面" at -89.325,91.925 h0.81
  text "2/nand和蓝牙放正面，SDRAM放反面" at -89.625,90.3 h0.81
  text "想不干扰就得把板加长放在最边山" at -98.65,87.9 h2
  text "比屏短了1CM左右吧" at -20.375,86.475 h2
  text "75 (mm)" at 4.325,82.761 h1.52
  text "152.433 (mm)" at -37.914,82.716 h1.52 r359.96
  text "45.914 (mm)" at -4.411,82.698 h1.52 r359.98
  text "ETH" at 18.825,76.225 h3 r270
  text "BL" at -54.075,75.35 h2
  text "3V3" at -84.475,74.05 h1
  text "C72直接PIN还没接哦" at -44.9,61.55 h2
  text "D7不知怎么了" at -2.45,60.95 h2
  text "添加PCB网络" at 50.45,60.675 h2
  text "POE" at 20.725,56.45 h2
  text "49.95 (mm)" at 47.557,51.691 h1.52 r89.94
  text "KEY" at -101.825,34.85 h2
  text "RST" at 43.05,34.1 h2
Top Solder:
  pour cut-out: -83.825,84.625 -83.825,75.175 -105.825,75.175 -105.85,75.15 -105.85,84.675 -105.9,84.625

## Text inside footprints (layer, text, board x,y; h text height)
J1: Top Overlay "50" at -21.431,73.306 h0.89; Top Overlay "1" at -47.237,73.382 h0.89
J3: Top Overlay "30" at 43.588,73.763 h0.89; Top Overlay "1" at 27.764,73.509 h0.89
J9: Top Overlay "Y" at -22.874,49.598 h1; Top Overlay "G" at -34.304,49.725 h1; Top Overlay "+" at -21.477,49.852 h1; Top Overlay "+" at -33.161,49.725 h1